# Allegro board FEE5_10_30.brd (continued)
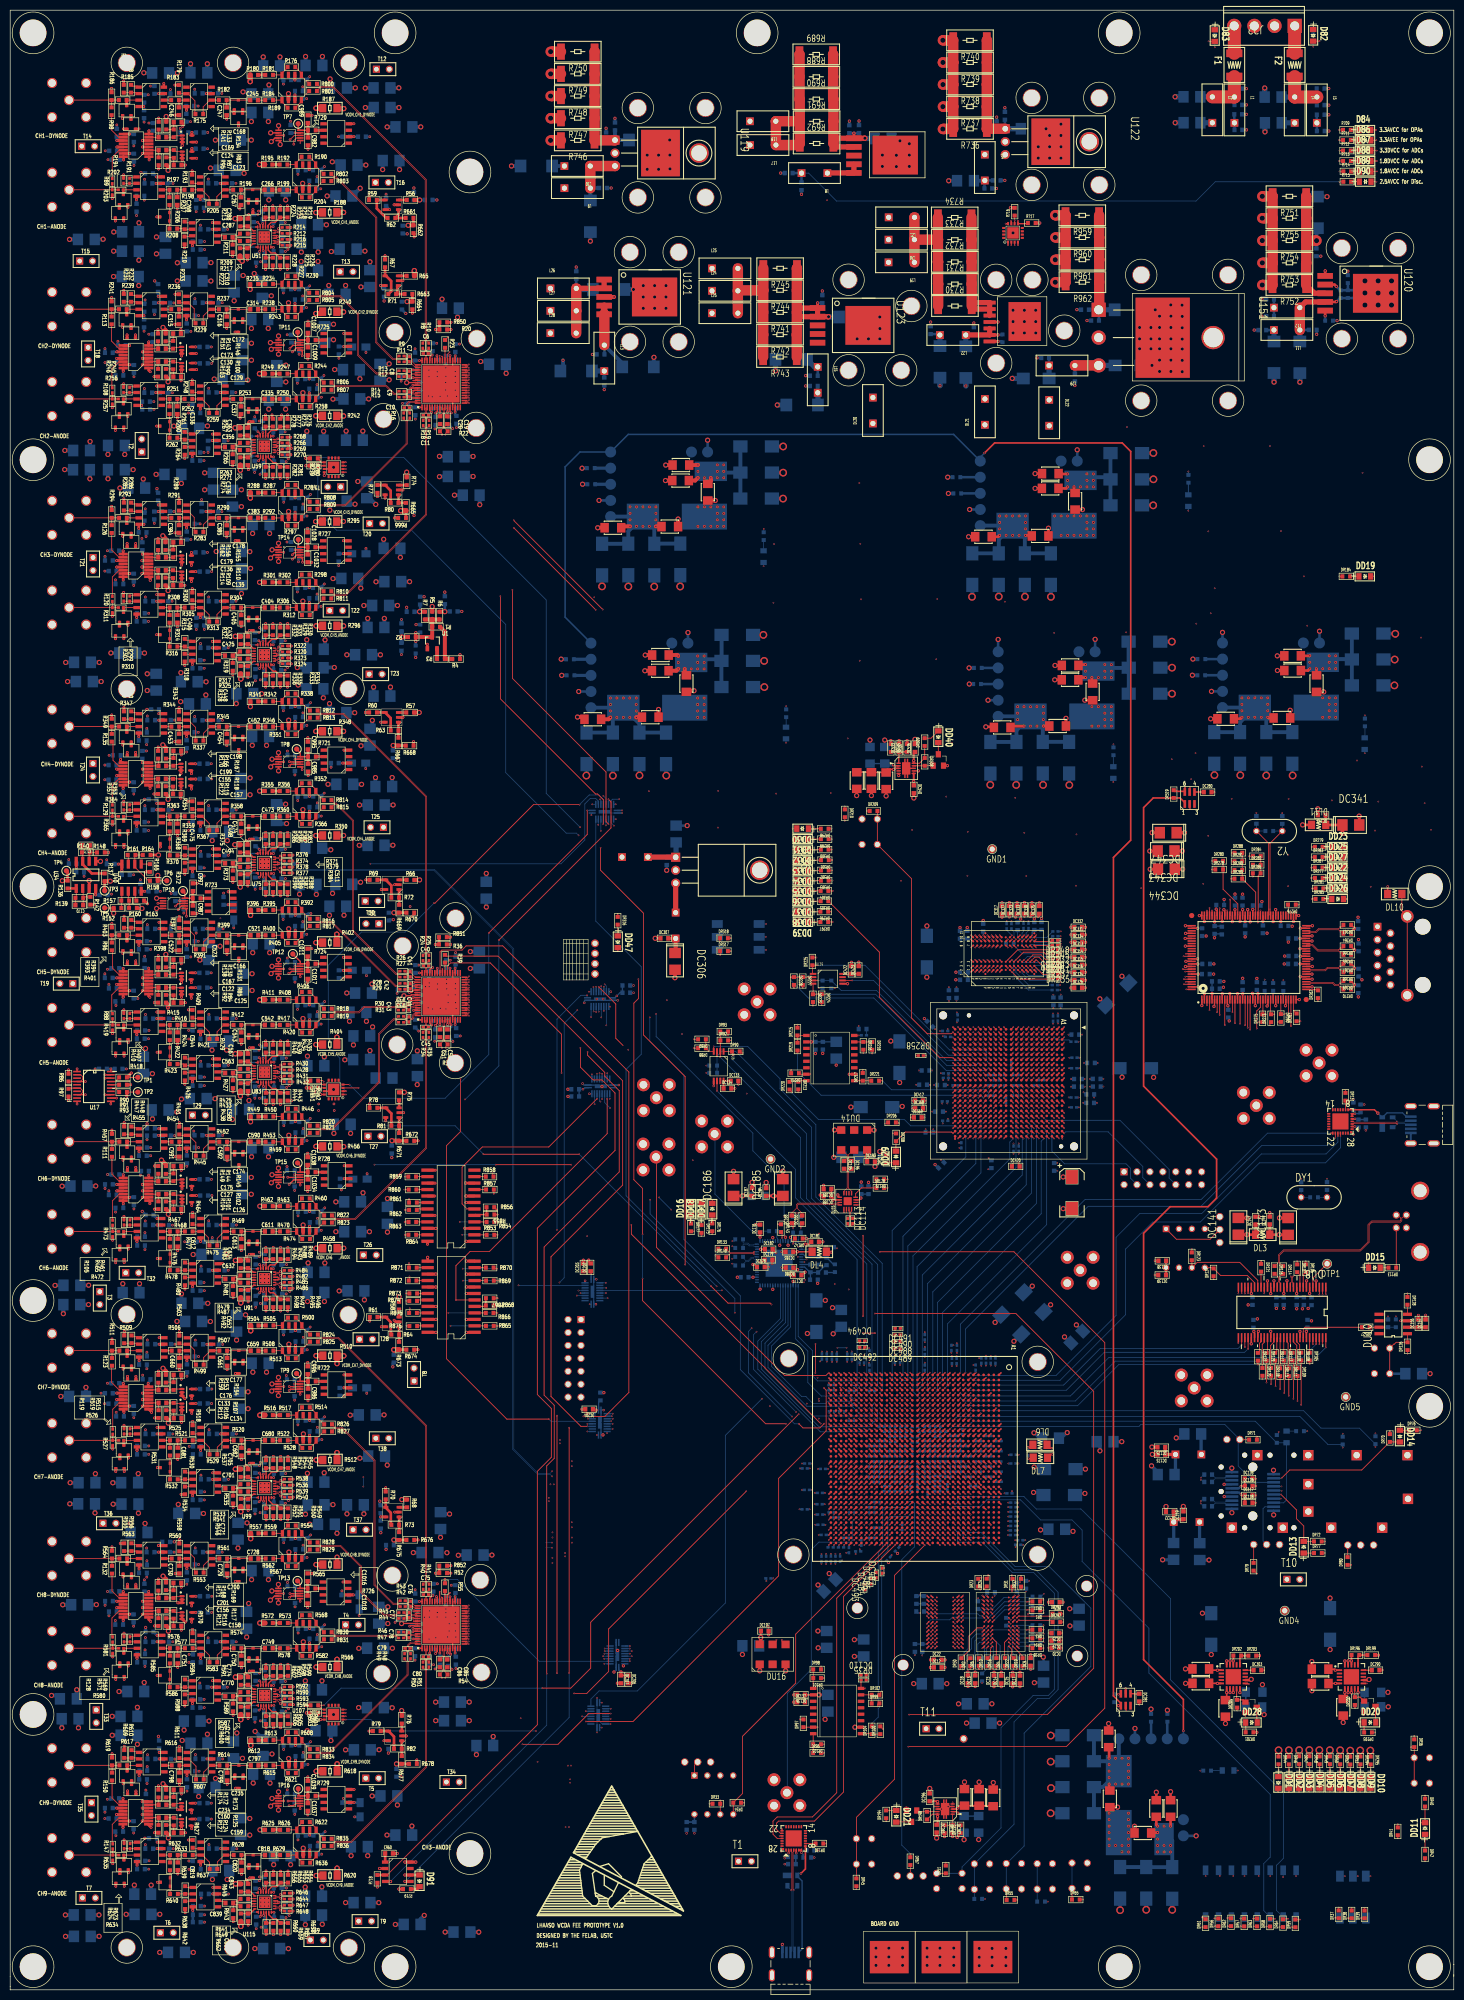
[diagram p0: board, top side]
## Routing (per net, layer and track width the routed paths; a pad name or vN(x,y) marks a point on that pad's centre or on a via; arc(x,y) is an arc through that point) (continued)
  BOTTOM w0.508: v3(82.12,192.83) 81.59,192.3 C64.1 ; DC299.2 246.32,55.15 v5(246.32,54.04) ; C197.1 v3(20.7,152.71) ; DU27.1 v5(232.97,30.24) ; C933.2 114.57,321.15 114.56,321.13 v8(114.37,321.13) ; C938.1 193.63,353.73 v8(193.74,353.72) ; C480.2 44.39,231.68 v3(44.4,231.69) ; C530.2 31.56,208.94 31.56,208.94 v3(31.56,209.16) ; v3(65.4,198.67) 65.21,198.67 65.21,198.67 C1008.2 ; v3(85.54,314.14) 85.52,314.14 85.52,314.14 C12.1 ; C390.2 v3(28.3,287.96) ; C402.2 26.68,286.09 26.68,285.58 v3(26.69,285.36) ; C500.2 v3(48.12,216.1) ; v3(86.64,79.45) 86.74,79.45 86.75,79.45 C88.2 ; v5(187.38,29.48) 187.39,29.49 DC291.2 ; v3(18.6,199.52) 18.6,199.34 18.6,199.34 C193.1 ; v5(192.85,56.16) 192.84,56.16 DC21.2 ; C17.2 87.43,317.93 87.44,317.93 v3(87.44,317.77) ; v3(38.12,220.31) 37.98,220.31 37.98,220.31 C502.2 ; C841.2 42.81,18.82 42.81,18.82 v3(42.91,18.82) ; C212.1 26.61,71.06 v8(26.61,71.16) ; v3(24.26,30.79) 24.26,30.9 24.25,30.9 C217.1 ; C370.2 53.73,301.53 v3(54.64,300.62) ; C3.1 v3(76.86,262.18) ; v5(232.24,258.14) 232.25,258.13 DR182.2 ; C775.2 v3(38.12,55.42) ; v3(18.63,281.49) 18.63,281.36 18.62,281.36 C188.1 ; v3(26.85,125.22) 26.85,125.02 26.85,125.02 C674.2 ; C538.2 v3(53.62,210.16) ; C800.2 v3(36.38,46.2) ; C1023.1 v3(54.42,39.27) ; v3(18.96,221.89) 18.96,221.8 18.95,221.8 C220.2 ; C420.2 v3(31.81,272.67) ; C999.1 v3(54.43,202.61) ; v3(53.72,47.19) 53.72,47.3 53.72,47.3 C812.2 ; v3(54.56,341.75) 53.63,342.68 C311.2 ; C15.1 v3(85.55,315.62) ; C735.2 57.54,87.23 57.54,87.23 v3(57.54,87.32) ; v5(209.44,130.57) 210.67,129.34 DC37.2 ; C132.1 v3(22.84,180.83) ; C345.2 v3(56.42,315.48) ; C332.2 v3(53.65,333.2) ; C142.1 v3(39.58,319.37) ; v8(259.02,373.34) 258.93,373.34 258.92,373.34 C897.2 ; C503.2 v3(38.12,218.72) ; C499.2 48.21,226.11 v3(49.18,226.11) 49.2,226.09 49.94,226.09 C505.2 ; v3(35.11,23.66) 35.24,23.66 35.24,23.66 C831.2 ; C925.1 256.64,325.18 256.65,325.17 v8(256.65,325.07) ; v8(26.4,233.76) 26.44,233.76 26.44,233.76 C121.1 ; C49.1 85.96,195.35 85.96,195.34 v3(86.05,195.34) ; v3(57.49,209.75) 57.48,209.74 C528.2 ; C331.2 58.28,334.04 v3(58.84,334.6) ; C929.2 111.19,338.12 111.19,338.12 v8(111.19,338.29) ; v3(61.77,194.05) 61.08,193.37 C552.2 ; C467.2 53.66,251.23 53.66,251.23 v3(53.66,251.15) ; C279.2 v3(38.08,349.15) ; v3(86.96,186.24) 86.96,186.25 86.18,187.03 C70.1 ; R37.1 76.01,196.31 v3(76.01,195.66) ; C738.2 32.11,85.94 32.12,85.95 v3(32.2,85.95) ; C153.1 v3(39.53,36.66) ; C495.2 v3(42.85,222.77) ; v8(242.86,370.13) 242.7,370.13 242.7,370.13 C886.2 ; DU27.7 v5(220.95,51.33) ; v3(20.76,30.25) 20.76,30.4 20.76,30.96 C219.1 ; v3(55.87,115.79) 55.87,115.99 55.87,116 C973.1 ; C945.2 156.38,316.95 156.37,316.95 v8(156.27,316.95) ; C275.2 61.71,358.02 v3(61.72,358.02) ; C974.1 54.23,119.95 v3(54.23,120.64) ; C292.2 v3(38.16,343.31) ; C885.2 242.74,373.32 242.74,373.32 v8(242.84,373.32) ; v3(49.08,297.59) 49.69,298.2 C365.2 ; v5(132.99,228.61) 132.98,228.61 DC305.2 ; C231.1 v3(19.09,282.58) ; v3(82.29,68.87) 82.2,68.87 82.19,68.87 C99.1 ; v3(27.6,204.32) 27.46,204.32 27.45,204.32 C534.2 ; C993.2 v3(41.92,215.36) ; C662.2 v3(36.36,127.59) ; C915.2 118.81,367.3 118.8,367.3 v8(118.8,367.5) ; C483.2 61.07,234.37 v3(61.68,234.99) ; C328.2 v3(37.02,328.76) ; v3(63.03,240.06) 63.03,240.18 63.02,240.18 C988.2 ; R21.1 76.81,315.9 v3(76.81,315.9) ; v3(38.2,14.73) 38,14.73 38,14.72 C848.2 ; C391.2 32.16,290.3 32.16,290.3 v3(32.17,290.3) ; C36.1 84.45,312.74 84.45,312.74 v3(84.45,312.9) ; C560.2 v3(27.27,188.39) ; DU30.1 v5(213.13,265.19) ; C596.2 v3(57.55,169.12) ; C165.1 v3(38.19,13.29) ; C825.2 v3(44.52,27.7) ; C508.2 53.98,223.96 53.98,223.97 v3(54.08,223.97) ; v5(207.64,109.42) 206.55,108.33 DC87.2 ; C807.2 v3(58.5,44.25) ; v3(27.3,25.33) 27.03,25.33 26.52,25.33 C836.2 ; v3(38.87,301.88) 38.87,302.09 38.87,302.09 C358.2 ; DR187.2 v5(224.1,55.12) ; C91.2 87.55,63.22 v3(87.55,63.09) ; C371.2 53.84,305.92 53.84,305.92 v3(54.01,305.92) ; v3(85.6,192.62) 85.91,192.31 C69.1 ; C299.2 v3(49.17,339.32) ; C468.2 58.3,252.05 v3(58.99,252.74) ; C461.2 32.17,249.32 32.18,249.33 v3(32.33,249.33) ; C732.2 v3(41.66,85.94) ; v3(19.41,73.43) 19.41,73.56 19.4,73.57 C723.2 ; C753.2 v3(60.33,69.76) ; C327.2 v3(26.3,325.68) ; C822.2 v3(60.41,29.01) ; DC287.2 v5(270.72,55.57) ; v3(87.49,203.66) 87.49,203.46 87.5,203.46 C53.2 ; DC408.1 182.36,161.36 v8(181.68,162.04) ; C672.2 v3(34.72,120.49) ; C794.2 54.13,55.72 v3(54.68,55.17) ; v3(69.99,199.12) 69.99,200.19 C1010.2 ; v3(82.91,312.82) 82.91,312.65 82.92,312.65 C34.1 ; v3(61.07,271.66) 60.29,271.66 C408.2 ; C675.2 26.84,121.97 26.85,121.97 v3(26.85,121.94) ; C561.2 v3(27.2,186.75) ; C684.2 v3(60.35,110.46) ; C276.2 v3(56.52,356.5) ; v3(16.67,180.83) 16.77,180.83 16.77,180.83 C131.2 ; C629.2 v3(26.46,148.69) ; v3(31.87,313.6) 31.87,313.59 C350.2 ; C281.2 26.4,355.37 26.4,355.37 v3(26.4,355.54) ; C1035.2 65.45,36.97 v3(65.45,37.58) ; C533.2 v3(27.61,205.91) ; v3(83.39,186.28) 83.39,186.94 C67.1 ; v3(65.16,78.34) 65.16,77.63 C1012.2 ; v3(48.98,102.91) 48.28,102.91 C706.2 ; C241.1 19.39,197.28 19.4,197.29 v3(19.4,197.46) ; C555.2 v3(35.08,186.71) ; v3(24.28,275.76) 24.28,275.91 24.28,275.91 C189.1 ; C445.2 245.97,331.94 245.96,331.93 v8(245.9,331.93) ; C414.2 61.02,275.35 v3(61.72,276.06) ; v8(77.88,271.47) 77.88,271.27 77.88,271.27 C115.1 ; C1103.2 209.15,315.11 209.16,315.1 v8(209.16,315.02) ; C194.1 20.77,193.96 20.77,193.52 v3(20.77,193.27) ; C458.2 v3(57.5,250.74) ; C110.1 v8(79.3,353.81) ; C304.2 72.61,95.31 v8(72.61,95.97) ; C459.2 v3(58.28,248.28) ; C707.2 48.09,93.52 48.09,93.51 v3(48.09,93.45) ; v3(67.66,33.96) 67.74,33.96 67.74,33.97 C1036.2 ; v3(73.83,352.62) 73.83,352.5 73.84,352.49 C116.1 ; C22.2 v3(88.26,323.16) ; C54.1 87.48,197.69 87.48,197.69 v3(87.48,197.55) ; v5(224.62,179.17) 224.62,180.45 DC379.2 ; C1005.1 v3(54.4,325) ; DU28.7 v5(111.68,254.93) ; C476.2 v3(61.12,230.48) ; C745.2 v3(26.85,84.26) ; C96.1 v3(79.55,78.56) ; C285.2 26.35,351.58 26.35,351.58 v3(26.35,351.42) ; DC504.2 165.84,65.48 v5(165.83,65.47) ; C608.2 v3(27.63,165.39) ; C741.2 34.7,80.43 34.7,79.85 v3(34.7,79.65) ; C202.1 29.12,49.08 v8(29.12,49.77) ; v3(54.92,137.15) 54.13,137.94 C656.2 ; DU25.7 v5(235.98,254.97) ; v3(55.96,75.19) 55.96,75.24 55.96,75.25 C1001.1 ; v8(79.72,268.08) 80.56,268.08 C4.1 ; C1025.1 v3(54.37,284.29) ; v3(39,151) 39,150.82 39,150.82 C617.2 ; C161.2 v3(14.51,218.65) ; C255.2 v3(58.25,371.35) ; v3(37.32,287.86) 37.11,287.86 C395.2 ; DR191.2 184.31,293.84 v5(184.3,293.83) ; DU5.11 v5(239.99,93.69) ; C84.1 86.06,71.89 86.06,71.9 v3(86.24,71.9) ; v8(73.84,86.45) 73.84,86.63 73.84,86.63 C880.1 ; DC394.2 219.65,197.76 218.51,198.9 218.51,198.91 v5(218.39,199.03) ; v8(75.17,122.32) 75.17,122.44 75.17,122.97 C878.1 ; C976.1 v3(64.47,363.88) ; C92.1 87.54,69.12 87.54,69.12 v3(87.54,69.27) ; DC104.2 207.66,90.03 v5(208.78,90.03) ; C477.2 v3(60.32,233.07) ; C224.1 29.5,215.71 v3(29.5,215.71) ; C433.2 49.35,267.1 v3(48.97,267.49) ; v8(242.87,365.22) 242.75,365.22 242.74,365.22 C889.2 ; C257.2 v3(27.12,372.11) ; v3(26.46,232.54) 26.46,232.44 26.46,232.44 C488.2 ; C436.2 37.33,261.09 v3(38.11,261.09) ; C687.2 v3(44.44,109.16) ; C1020.1 v3(54.38,161.68) ; R693.2 260.51,327.76 260.52,327.76 v8(260.65,327.76) ; v8(26.89,170.05) 26.89,169.92 26.89,169.92 C137.1 ; v3(87.66,306.74) 87.66,306.96 87.66,306.96 C23.1 ; v3(54.83,177.57) 54.14,178.26 C587.2 ; C113.1 88.61,270.66 88.61,270.67 v8(88.71,270.67) ; C81.1 v3(86.24,70.46) ; C944.2 156.34,314.93 156.33,314.94 v8(156.26,314.94) ; C329.2 v3(35.51,325.66) ; C151.1 v3(39.58,115.13) ; C606.2 58.93,171.06 v3(58.93,171.12) ; v3(54.06,264.9) 53.26,264.9 C439.2 ; C975.1 v3(70.65,363.88) ; v3(25.58,217.97) 25.58,217.9 25.58,217.19 C223.1 ; v3(61.76,71.67) 61.06,70.98 C759.2 ; C485.2 v3(35.05,227.67) ; DC90.2 162.82,133.94 v5(161.53,133.94) ; C181.1 v3(19.2,359.37) ; C351.2 v3(26.35,314.44) ; DC292.2 v5(190.25,29.5) ; C746.2 v3(26.84,81.04) ; v8(259.04,368.18) 258.97,368.18 258.96,368.2 C900.2 ; v3(37.47,101.07) 37.47,100.91 37.47,100.91 C702.2 ; v8(28.84,294.79) 28.84,294.19 C119.1 ; C803.2 v3(26.98,46.16) ; C624.2 v3(39.69,147.71) ; v3(19.07,37.43) 19.69,37.43 C585.2 ; C597.2 v3(58.31,166.75) ; C602.2 v3(37.02,165.39) ; C578.2 54.33,177.18 v3(54.33,177.17) ; C1030.2 v3(64.54,279.68) ; v3(83.44,306.5) 83.44,307.13 C35.1 ; C58.1 v3(86.44,202.18) ; v8(25.94,152.86) 26.63,152.17 C203.1 ; v3(48.79,349.28) 49.51,349.28 C298.2 ; C411.2 44.36,272.67 v3(44.36,272.67) ; v5(194.36,52.37) 194.29,52.37 194.28,52.37 DC6.2 ; v3(58.93,130.15) 58.26,129.48 C678.2 ; C600.2 32.15,167.73 32.16,167.73 v3(32.32,167.73) ; v3(65.56,116.66) 65.35,116.66 65.34,116.67 C991.2 ; DR192.2 v5(188.41,256.41) ; v3(82.25,318.05) 82.14,318.05 81.47,318.05 C25.1 ; 126.71,206.47 v5(126.71,206.48) ; C320.2 v3(58.2,330.3) ; C139.1 v3(38.78,361.51) ; C164.1 19.3,215.15 v3(19.91,215.15) ; v3(37.25,60.25) 37.25,60.02 37.26,60.02 C772.2 ; C184.1 20.85,316.84 v3(20.85,316.18) ; C1033.2 v3(70.11,160.26) ; C569.2 v3(38.15,177.54) ; C360.2 v3(48.02,297.94) ; C554.2 v3(35.07,188.4) ; v3(54.5,259.64) 53.77,260.37 C449.2 ; v3(26.49,66.77) 26.49,66.57 26.48,66.56 C767.2 ; C192.1 v3(24.28,234.81) ; C725.2 54.17,96.57 54.66,96.08 v3(54.66,96.08) ; v3(36.07,168.63) 36.07,167.95 C593.2 ; C764.2 v3(26.56,69.15) ; v3(38.22,16.44) 37.95,16.44 37.95,16.44 C847.2 ; C870.1 v8(79.33,289.51) ; C68.1 v3(84.5,192.73) ; C644.2 v3(49.16,134.79) ; C693.2 35.2,106.73 35.2,106.72 v3(35.16,106.72) ; C105.1 86.08,63.62 v3(86.81,62.9) ; v3(83.95,197.52) 83.95,197.68 83.95,197.68 C59.1 ; v3(20.82,113.43) 20.82,113.24 20.82,113.24 C206.1 ; C211.1 v3(39.53,33.53) ; C426.2 v3(48.87,266.56) ; v3(61.76,112.51) 61.08,111.84 C690.2 ; DC26.2 208.13,74.83 v5(208.12,74.83) ; C646.2 v3(54.29,142.4) ; C653.2 26.66,39.04 v3(26.66,39.23) ; C549.2 v3(44.42,190.74) ; C557.2 v3(32.01,190.7) ; C574.2 49.3,185.22 v3(48.98,185.54) ; DC304.1 128.98,219.85 v5(128.96,219.83) ; v3(19.12,78.21) 19.87,78.21 C791.2 ; C437.2 v3(38.12,259.5) ; C703.2 v3(42.88,100.24) ; v3(26.84,247.72) 26.84,247.48 26.85,247.47 C469.2 ; v8(74.3,46.49) 74.3,46.57 74.3,46.58 C215.1 ; C317.2 v3(41.67,331.3) ; C273.2 v3(44.36,354.74) ; v3(39.04,191.57) 39.04,191.41 39.04,191.4 C548.2 ; v8(56.44,221.09) 56.24,221.09 56.23,221.1 C518.2 ; DC300.2 245.99,59.92 v5(245.99,59.93) ; C204.1 v3(24.31,153.33) ; C1015.2 v3(68.55,73.52) ; C251.2 v3(57.46,373.67) ; C722.2 v3(18.58,33.63) ; C882.1 76.64,41.85 76.65,41.84 v8(76.75,41.84) ; C196.1 v3(18.63,157.34) ; v8(151.34,356.75) 151.41,356.75 C911.1 ; C210.1 24.25,71.52 24.24,71.52 v3(24.24,71.4) ; C152.1 v3(39.59,74.11) ; C120.1 v8(26.87,251.42) ; v3(26.94,209.16) 26.94,208.97 26.94,208.97 C531.2 ; v8(193.78,367.73) 193.78,367.58 193.78,367.58 C939.2 ; v3(36.56,267.11) 36.56,267.89 C416.2 ; C29.1 v3(83.8,323.32) ; C180.1 v3(20.95,366.21) ; C913.1 166.74,366.82 166.74,366.82 v8(166.74,366.98) ; DU25.1 v5(257.2,266.78) ; C525.2 v3(41.82,208.34) ; C1102.2 209.7,329.9 209.69,329.92 v8(209.54,329.92) ; C26.1 81.8,312.58 v3(82.18,312.96) ; C94.1 83.92,74.17 83.92,74.17 v3(83.92,74.08) ; C535.2 v3(36.96,205.91) ; C380.2 v3(54.21,300.08) ; C479.2 v3(38.99,232.54) ; C851.2 49.4,12.3 v3(49.29,12.3) ; C302.2 v3(54.06,341.35) ; C65.1 80.24,188.29 v3(80.24,188.26) ; v3(26.78,243.27) 26.66,243.27 26.66,243.27 C238.1 ; C264.2 v3(53.68,374.21) ; v3(39.53,322.6) 39.44,322.6 39.44,322.61 C140.1 ; C30.1 v3(85.58,318.51) ; C850.2 v3(48.97,22.15) ; C616.2 v3(61.11,149.14) ; C260.2 v3(36.92,369.9) ; C833.2 v3(26.55,28.51) ; v8(25.69,356.83) 26.32,356.83 26.49,356.67 C117.1 ; C455.2 v3(41.71,249.3) ; v3(83.46,63) 84.32,63.87 C104.1 ; C221.2 v3(24.26,218.95) ; C558.2 v3(26.56,191.52) ; C910.1 155.45,352.63 155.44,352.63 v8(155.44,352.56) ; C489.2 v3(31.89,231.71) ; C695.2 v3(26.58,109.97) ; v3(69.89,283.07) 69.89,282.87 69.89,282.87 C1031.2 ; C698.2 v3(27.23,105.15) ; C962.2 72.8,89.92 72.8,89.92 v8(72.8,89.75) ; C731.2 v3(36.35,86.78) ; v3(54.08,60.57) 53.99,60.57 53.99,60.57 C784.2 ; C101.1 v3(83.6,69.14) ; C509.2 v3(54.07,218.2) ; C813.2 58.33,48.05 v3(59,48.73) ; v3(54.82,14.59) 54.15,15.26 C863.2 ; DC135.2 160.08,54.08 v5(160.08,53.11) ; v3(25.87,285.02) 25.87,284.33 C233.1 ; C744.2 58.33,88.63 v3(59.01,89.32) ; C145.1 v3(39.51,199.7) ; v8(117.06,365.55) 117.06,365.38 117.06,365.38 C917.2 ; C353.2 v3(28.23,311.86) ; C146.1 v3(39.52,240.75) ; v8(259.04,370.09) 258.94,370.09 C898.2 ; C147.1 v3(39.48,196.78) ; DC535.2 168.91,245.4 v5(168.9,245.41) ; C183.1 v8(26.46,29.76) ; v5(158.72,67.16) 158.88,67.16 158.89,67.16 DC107.2 ; v3(18.61,322.28) 18.61,322.06 18.62,322.05 C186.1 ; C686.2 v3(39.07,109.99) ; C712.2 v3(49.13,103.55) ; v3(61.21,26.64) 61.12,26.64 61.12,26.64 C821.2 ; C138.1 v3(38.82,364.72) ; C66.1 v3(82.99,192.6) ; C854.2 v3(54.18,14.18) ; C575.2 v3(48.97,175.08) ; C289.2 v3(37.37,346.52) ; v3(49.08,93.69) 49.13,93.69 49.13,93.68 C713.2 ; C626.2 v3(26.53,150.98) ; C603.2 v3(34.7,161.7) ; C696.2 31.83,109.15 31.84,109.15 v3(31.96,109.15) ; C237.1 v3(19.43,242.41) ; C663.2 v3(41.76,126.74) ; DC16.2 201.21,60.34 v5(201.19,60.31) ; C63.1 76.78,193.83 v3(76.03,194.57) ; v8(211.52,327.78) 211.61,327.78 211.61,327.78 C1100.2 ; C1019.1 v3(55.88,156.98) ; C623.2 v3(34.27,146.88) ; C802.2 v3(57.57,46.63) ; v5(248.2,93.25) 248.19,93.26 DU5.10 ; v8(262.76,337.49) 262.76,337.37 262.77,337.37 R694.2 ; C95.1 83.78,79.73 83.79,79.72 v3(83.93,79.72) ; C515.2 246.05,328.63 246.05,328.63 v8(245.9,328.63) ; v3(54.07,95.55) 53.39,95.55 C716.2 ; C100.1 v3(79.52,64.74) ; v8(81.31,273.55) 81.31,273.55 C114.1 ; C399.2 v3(53.73,292.12) ; C185.1 v3(24.31,316.73) ; v3(61.87,31.06) 61.13,30.32 C828.2 ; v3(19.38,156.91) 19.38,156.81 19.38,156.8 C244.1 ; C837.2 v3(27.24,23.7) ; v3(58.31,84.88) 58.26,84.88 58.25,84.88 C734.2 ; C148.1 v3(39.55,159.15) ; C24.1 v3(79.52,322.25) ; C429.2 37.38,264.09 37.39,264.09 v3(37.39,264.35) ; C344.2 61.05,316.41 v3(61.63,316.99) ; C715.2 54.08,101.38 54.08,101.38 v3(54.12,101.38) ; C827.2 v3(56.53,29.43) ; v8(85.38,274.46) 85.38,274.37 85.38,274.36 C112.1 ; v3(41.76,167.81) 41.6,167.81 41.6,167.81 C594.2 ; C31.1 v3(79.59,308.43) ; v3(25.58,159.96) 25.58,160.65 C243.1 ; C677.2 53.7,128.72 53.7,128.72 v3(53.7,128.6) ; C1024.1 56.63,281.07 v3(56.63,280.41) ; C923.1 257.36,340.43 257.37,340.43 v8(257.46,340.43) ; C868.1 76.96,329.93 v8(77.72,329.17) ; C278.2 v3(36.53,349.15) ; C668.2 v3(26.95,127.6) ; C599.2 26.88,167.01 26.88,167.01 v3(26.88,166.91) ; v5(158.68,79.5) 159.8,78.38 DC89.2 ; C162.2 v3(11.51,221.94) ; v3(86.92,306.58) 86.92,306.58 86.21,307.28 C33.1 ; C527.2 v3(58.26,207.26) ; v8(195.39,369.59) 195.39,369.46 195.4,369.46 C932.2 ; C367.2 v3(38.08,301.88) ; C752.2 v3(61.21,67.36) ; C430.2 v3(42.84,263.51) ; C971.1 v3(54.46,243.25) ; C643.2 49.3,144.5 v3(48.95,144.84) ; C872.1 75.88,241.85 75.88,241.85 v8(76.06,241.85) ; C419.2 v3(26.55,273.5) ; C464.2 v3(36.95,246.93) ; C536.2 v3(35.5,202.82) ; C785.2 53.47,54.72 v3(54.15,54.72) ; DU5.20 239.98,101.67 239.98,102.45 v5(239.97,102.45) ; C1002.1 v3(54.47,80) ; DJ10.5 v8(151.69,8.92) ; C743.2 v3(53.73,87.79) ; DC286.2 v5(270.64,58.41) ; v3(20.68,276.87) 20.68,276.71 20.69,276.71 C187.1 ; C195.1 24.9,194.66 24.91,194.66 v3(25.1,194.66) ; C824.2 39.05,28.43 v3(39.05,28.55) ; C207.1 v3(24.28,112.33) ; v3(39,273.5) 39,273.3 C410.2 ; v8(164.85,366.95) 164.85,366.91 164.84,366.9 C914.1 ; v3(70.05,117.13) 70.05,117.31 70.04,117.32 C992.2 ; C230.1 v3(27.23,325.11) ; C242.1 19.29,160.09 19.29,160.1 v3(19.13,160.1) ; DC534.2 171.81,245.4 v5(171.8,245.41) ; C387.2 v3(41.59,290.27) ; v3(49.13,62.95) 49.75,62.95 C781.2 ; C618.2 v3(44.44,150.18) ; C398.2 58.97,293.63 v3(58.97,293.63) ; v3(26.5,331.83) 26.5,331.22 26.32,331.05 C326.2 ; C834.2 v3(32.04,27.71) ; C5.1 79.65,261.82 79.65,261.82 v8(79.65,261.62) ; C341.2 v3(44.33,313.67) ; C89.1 v3(87.46,74.12) ; C401.2 26.54,290.18 v3(26.54,290.81) ; C551.2 v3(56.46,192.53) ; C339.2 v3(60.28,315.2) ; DU28.1 v5(133.14,266.52) ; C621.2 61.1,152.85 v3(61.8,153.55) ; C191.1 v3(20.65,235.88) ; C296.2 v3(48.32,338.38) ; C983.2 v3(55.08,366.93) ; C990.2 v3(69.85,239.8) ; C804.2 v3(32.35,45.32) ; C236.1 v3(18.56,237.61) ; C888.2 242.65,368.28 242.65,368.27 v8(242.83,368.27) ; v3(18.53,115.09) 18.65,115.09 18.65,115.09 C860.2 ; C208.1 18.64,75.57 18.64,75.56 v3(18.64,75.5) ; C462.2 v3(26.94,250.13) ; C565.2 v3(42.86,181.54) ; C861.2 19.17,119.12 19.16,119.11 v3(19.11,119.11) ; C27.1 77.08,311.53 v3(77.08,311.53) ; v5(248.17,102.03) 248.19,102.01 DU5.1 ; C57.1 v3(87.6,192.71) ; v3(31.47,373.13) 31.47,373 31.48,373 C252.2 ; C630.2 v3(26.47,145.33) ; v3(48.07,175.07) 48.07,175.21 48.07,175.21 C572.2 ; v3(65.05,157.07) 65.05,157.5 C1029.2 ; v3(35.08,25.3) 35.19,25.3 35.19,25.29 C830.2 ; C1014.2 v3(69.88,321.5) ; C506.2 v3(49.1,216.25) ; C666.2 v3(57.57,128.13) ; C683.2 v3(61.23,108.05) ; v3(27.52,373.83) 27.85,373.83 C253.2 ; C874.1 74.55,210.13 v8(75.27,210.13) ; v3(32.38,126.78) 32.23,126.78 32.23,126.78 C669.2 ; C284.2 v3(24.82,348.39) ; v3(39.63,117.98) 39.46,117.98 39.45,117.97 C150.1 ; C239.1 26.41,202.86 26.42,202.87 v3(26.42,202.97) ; v3(43.93,208.52) 43.92,208.53 43.92,208.92 43.91,208.92 C994.2 ; C773.2 v3(42.66,59.43) ; C293.2 v3(38.19,341.71) ; C338.2 v3(61.15,312.73) ; v3(82.39,74.4) 82.22,74.4 C97.1 ; C427.2 v3(48.17,257.04) ; v3(21.16,323.73) 21.16,323.61 21.16,323.61 C228.1 ; C810.2 v3(34.73,39.02) ; C814.2 26.91,43.61 26.91,43.61 v3(26.91,43.86) ; C491.2 v3(27.19,229.3) ; C1022.1 v3(55.91,34.44) ; C845.2 v3(48.33,11.99) ; C291.2 v3(42.73,345.7) ; C232.1 v3(18.58,278.58) ; C321.2 v3(57.46,332.62) ; C762.2 v3(35.14,65.87) ; DU29.1 v5(209.61,302.4) ; C699.2 v3(27.24,106.79) ; C111.1 v8(83.82,351.46) ; C605.2 v3(53.76,169.67) ; C482.2 v3(56.49,233.52) ; C354.2 v3(28.25,310.34) ; C213.1 v8(32.24,87.96) ; C282.2 31.99,354.71 v3(32,354.71) ; C853.2 v3(54.28,20) ; C389.2 v3(58.3,289.41) ; v3(58.35,125.67) 58.22,125.67 58.22,125.67 C665.2 ; v3(55.93,238.55) 55.93,238.67 55.93,239.33 C970.1 ; DC150.2 v5(278.93,120.99) ; C182.1 v3(24.31,358.22) ; C1106.2 201.83,320.45 201.83,320.45 v8(201.71,320.45) ; v3(33.41,365.52) 33.41,364.86 33.47,364.81 C858.2 ; C347.2 v3(35.06,311.23) ; DU29.7 v5(188.47,290.68) ; C56.2 v3(88.43,187.3) ; C876.1 v8(74.96,163.41) ; C635.2 v3(42.84,141.29) ; C978.1 v3(34.1,211.44) ; C225.1 v3(18.67,361.11) ; C413.2 v3(56.42,274.49) ; C32.1 v3(85.89,312.96) ; v8(244.37,325.91) 244.56,325.91 244.56,325.91 C927.1 ; DC60.2 209.49,97.48 v5(211.12,97.48) ; C647.2 v3(54.24,136.66) ; C671.2 v3(37.01,124.35) ; C28.1 v3(83.91,317.72) ; C216.1 73.46,331.72 73.45,331.72 v8(73.45,331.62) ; C118.1 29,334.95 v8(28.37,335.57) ; C318.2 v3(36.28,332.1) ; C143.1 v3(39.56,278.48) ; C141.1 v3(38.75,282.27) ; C209.1 v3(20.65,72.53) ; v3(35.89,104.32) 35.89,104.44 C692.2 ; v8(118.07,353.81) 117.97,353.81 117.97,353.81 C918.2 ; v3(36.53,207.51) 36.53,208.12 C524.2 ; C18.1 v3(87.67,312.89) ; C710.2 v3(38.2,97.79) ; C566.2 v3(37.42,182.34) ; v8(259.05,365) 258.84,365 258.84,365 C901.2 ; v3(37.03,83.53) 37.02,83.53 C740.2 ; v3(38.13,267.13) 38.13,267.92 C417.2 ; v3(27.61,163.78) 27.41,163.78 27.41,163.77 C609.2 ; v3(24.29,362.08) 24.29,362.21 24.29,362.21 C227.1 ; C801.2 v3(41.75,45.34) ; C941.2 159.54,333.49 159.54,333.49 v8(159.54,333.59) ; C465.2 v3(34.65,243.05) ; C440.2 v3(54,259.15) ; C93.1 v3(85.59,74.78) ; C815.2 v3(26.87,40.49) ; C577.2 v3(54.26,182.95) ; C627.2 v3(31.89,150.16) ; v3(75.61,72.15) 76.6,73.14 R53.1 ; C654.2 v3(26.37,80.51) ; C758.2 v3(56.55,70.06) ; C144.1 v3(39.59,237.77) ; C272.2 v3(38.92,355.56) ; v8(78,344.81) 77.21,344.81 C866.1 ; C396.2 v3(35.51,284.79) ; C638.2 v3(48.24,134.02) ; v3(35.1,64.3) 35.2,64.3 35.21,64.3 C761.2 ; C364.2 v3(48.9,308.05) ; C357.2 v3(42.81,304.19) ; C539.2 58.28,211.04 58.59,211.34 v3(59.07,211.34) ; C368.2 v3(38.08,300.28) ; v8(195.39,355.31) 195.24,355.31 195.24,355.3 C940.1 ; C190.1 v3(18.59,240.5) ; C546.2 v3(60.34,192.08) ; C809.2 v3(37.11,42.93) ; C359.2 v3(48.04,308.89) ; C545.2 v3(61.08,189.64) ; C423.2 26.38,268.7 27.04,268.7 v3(27.16,268.7) ; C778.2 v3(49.01,62.2) ; v3(19.1,200.41) 19.7,200.41 C240.1 ; C768.2 v3(26.47,63.49) ; C840.2 37.5,18.21 37.51,18.2 v3(37.51,18) ; v3(17.84,117.16) 17.94,117.16 17.94,117.15 